# KiCad board e-tkt.kicad_pcb (continued)
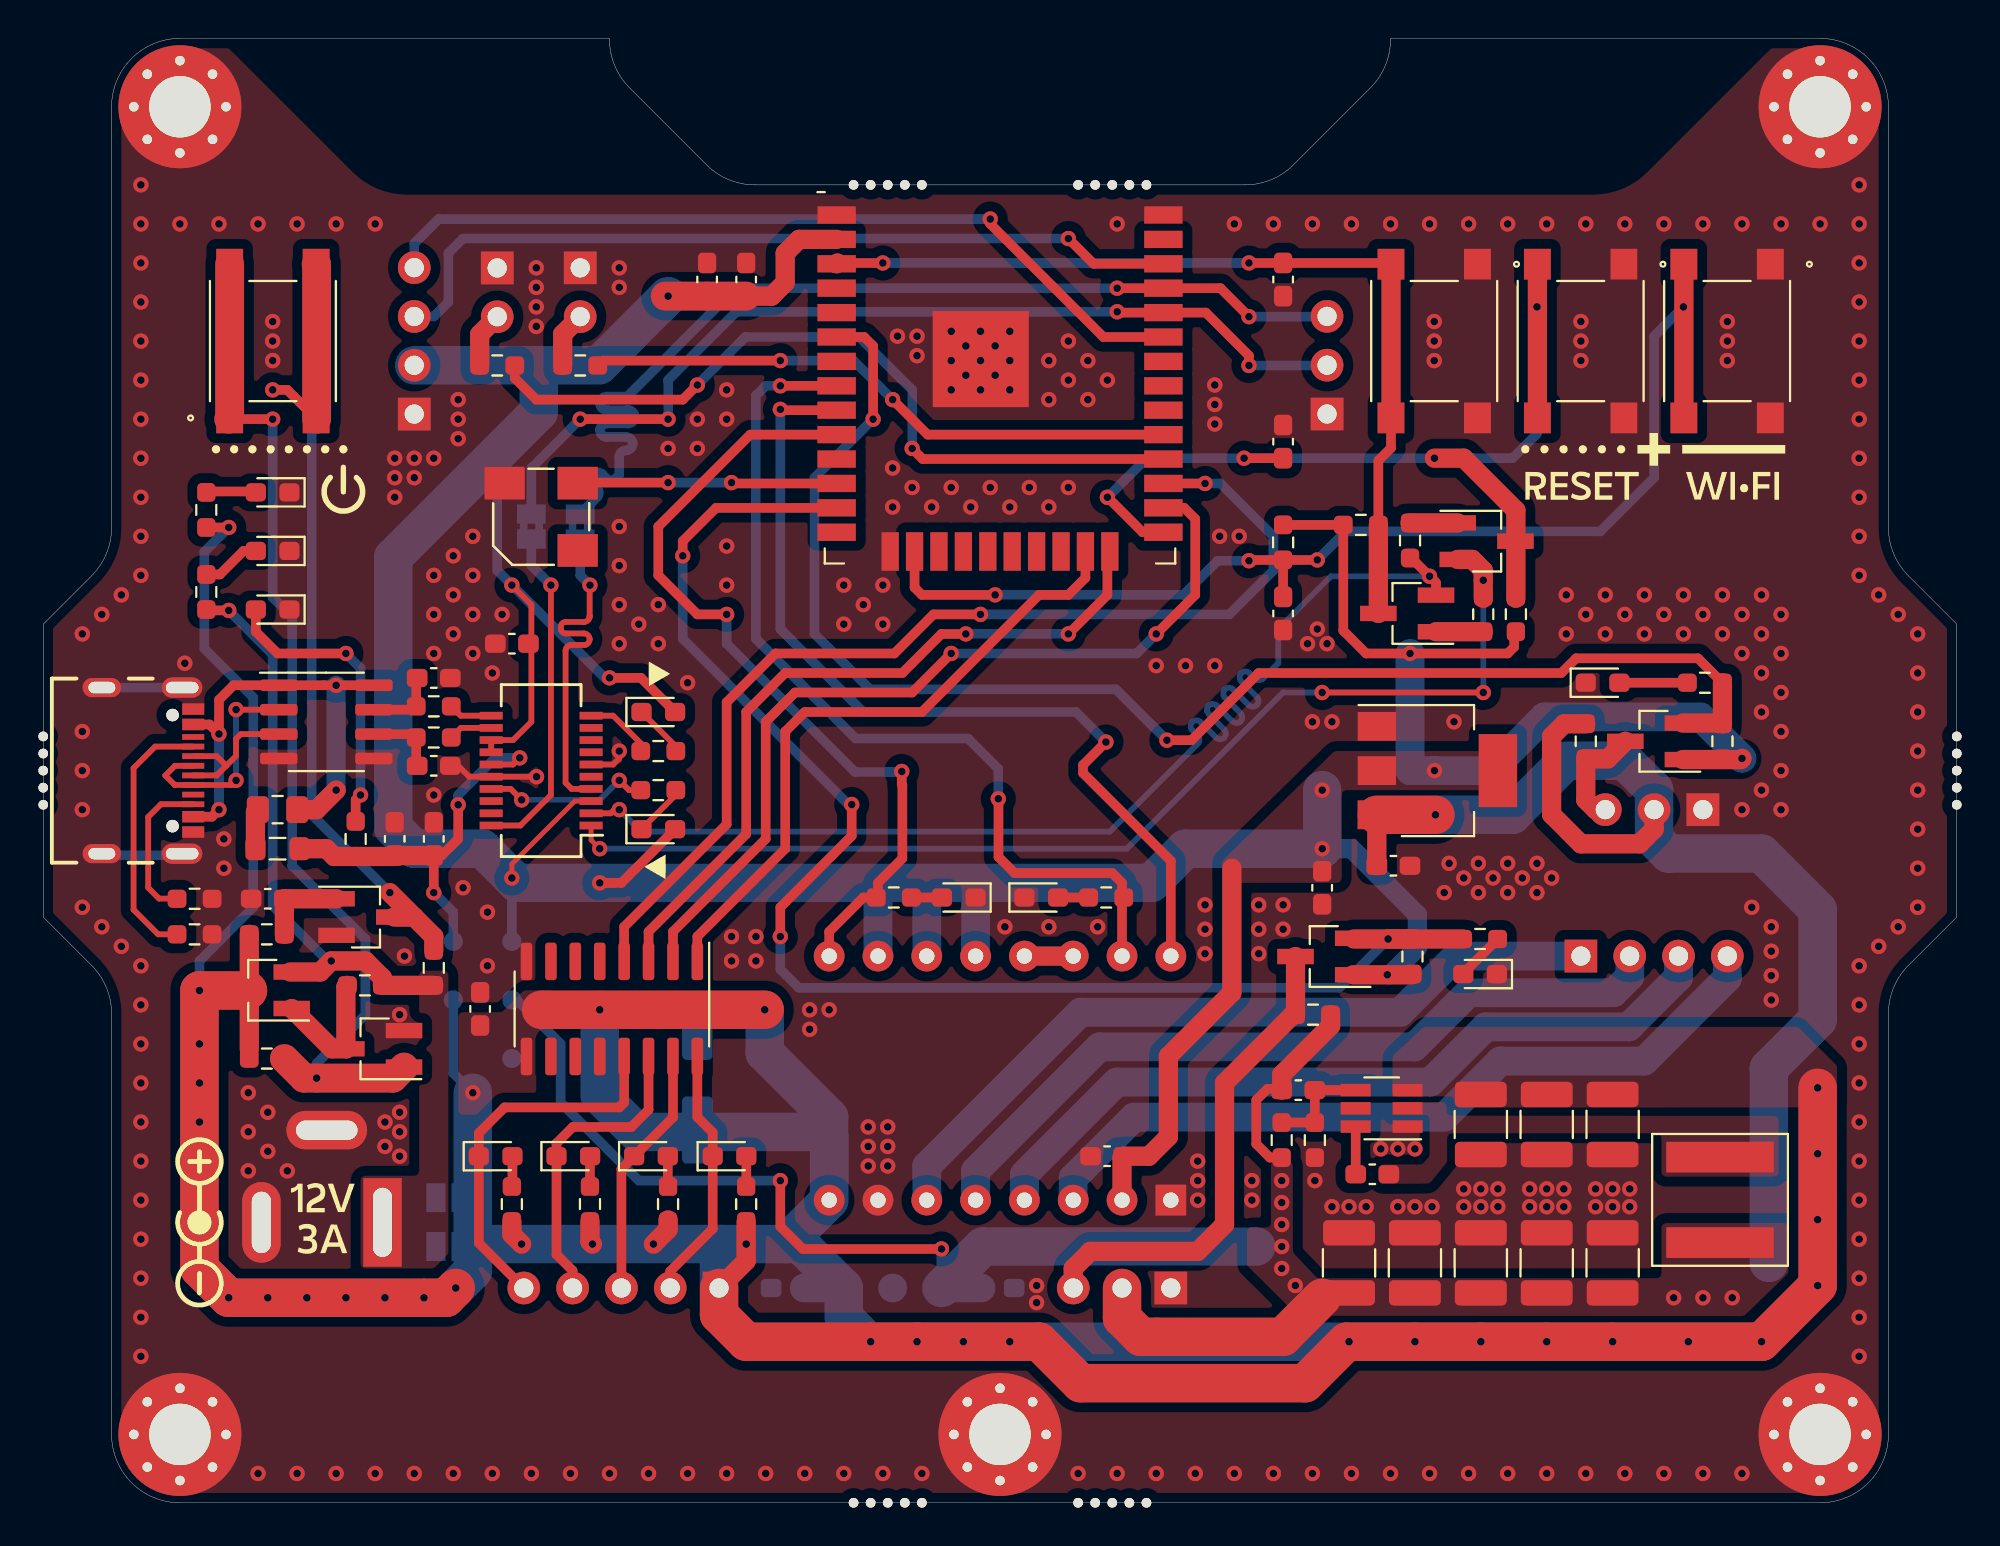
[diagram p0: board, top side]
## Library data of the parts (continued)
U_SER1 = -: Description: Serial communication IC; Group: Serial; Mouser: OK
U_STP1 = -: Description: Driver; #: ULN2003ADRE4; Group: 28BYJ-48 12V; Mouser: OK
U_USB1 = -: Description: USB-C TVS diode; #: USB6B1RL; Group: USB-C; Mouser: OK

## Footprints (pads in the part's own frame, mm; a bottom-side part is the same pattern mirrored in y, then rotated)
B3FS-1000
  rect 1.6x1.4 smd: 1(-4,2.25) 2(4,2.25) 3(-4,-2.25) 4(4,-2.25)
BarrelJack_GCT_DCJ200-10-A_Horizontal
  rect 4.6x2 hole 3.6x1: 1(0,0)
  oval 4.2x2 hole 3.2x1: 2(0,-6.3)
  oval 2x4.2 hole 1x3.2: 3(4.8,-2.9)
C_0603_1608Metric_Pad1.08x0.95mm_HandSolder
  rrect 1.075x0.95 smd: 1(-0.863,0) 2(0.863,0)
C_1210_3225Metric_Pad1.33x2.70mm_HandSolder
  rrect 1.325x2.7 smd: 1(-1.562,0) 2(1.562,0)
CP_Elec_6.3x7.7
  rrect 3.5x1.6 smd: 1(-2.7,0) 2(2.7,0)
CUI_CSS-0575A-SMT
  rect 2.1x1.7 smd: (-1.9,1.75) 1(-1.9,-1.75) 2(1.9,-1.75)
ESP32-WROOM-32
  rect 2x0.9 smd: 1(-8.5,8.255) 2(-8.5,6.985) 3(-8.5,5.715) 4(-8.5,4.445) 5(-8.5,3.175) 6(-8.5,1.905) 7(-8.5,0.635) 8(-8.5,-0.635) 9(-8.5,-1.905) 10(-8.5,-3.175) 11(-8.5,-4.445) 12(-8.5,-5.715) 13(-8.5,-6.985) 14(-8.5,-8.255) 25(8.5,-8.255) 26(8.5,-6.985) 27(8.5,-5.715) 28(8.5,-4.445) 29(8.5,-3.175) 30(8.5,-1.905) 31(8.5,-0.635) 32(8.5,0.635) 33(8.5,1.905) 34(8.5,3.175) 35(8.5,4.445) 36(8.5,5.715) 37(8.5,6.985) 38(8.5,8.255)
  rect 0.9x2 smd: 15(-5.715,-9.255) 16(-4.445,-9.255) 17(-3.175,-9.255) 18(-1.905,-9.255) 19(-0.635,-9.255) 20(0.635,-9.255) 21(1.905,-9.255) 22(3.175,-9.255) 23(4.445,-9.255) 24(5.715,-9.255)
  rect 5x5 smd: 39(-1,0.755)
Fuse_0805_2012Metric_Pad1.15x1.40mm_HandSolder
  rrect 1.15x1.4 smd: 1(-1.025,0) 2(1.025,0)
GCT_USB4105-GF-A
  round 0.65 hole 0.65 unplated: (-2.89,3.68) (2.89,3.68)
  rect 0.6x1.15 smd: A1_B12(-3.2,4.755) A4_B9(-2.4,4.755) B1_A12(3.2,4.755) B4_A9(2.4,4.755)
  rect 0.3x1.15 smd: A5(-1.25,4.755) A6(-0.25,4.755) A7(0.25,4.755) A8(1.25,4.755) B5(1.75,4.755) B6(0.75,4.755) B7(-0.75,4.755) B8(-1.75,4.755)
  oval 1.05x2.1 hole 0.6x1.7: S1(-4.32,4.18) S4(4.32,4.18)
  oval 1x2 hole 0.6x1.4: S2(-4.32,0) S3(4.32,0)
L_0805_2012Metric_Pad1.05x1.20mm_HandSolder
  rrect 1.05x1.2 smd: 1(-1.15,0) 2(1.15,0)
LED_0603_1608Metric_Pad1.05x0.95mm_HandSolder
  rrect 1.05x0.95 smd: 1(-0.875,0) 2(0.875,0)
MountingHole_3.2mm_M3_Pad_Via
  round 0.8 hole 0.5: 1(-2.4,0) 1(-1.697,1.697) 1(-1.697,-1.697) 1(0,2.4) 1(0,-2.4) 1(1.697,1.697) 1(1.697,-1.697) 1(2.4,0)
  round 6.4 hole 3.2: 1(0,0)
PinHeader_1x02_P2.54mm_Vertical
  rect 1.7x1.7 hole 1: 1(0,0)
  oval 1.7x1.7 hole 1: 2(0,-2.54)
PinHeader_1x03_P2.54mm_Horizontal
  rect 1.7x1.7 hole 1: 1(0,0)
  oval 1.7x1.7 hole 1: 2(0,-2.54) 3(0,-5.08)
PinHeader_1x03_P2.54mm_Vertical
  rect 1.7x1.7 hole 1: 1(0,0)
  oval 1.7x1.7 hole 1: 2(0,-2.54) 3(0,-5.08)
PinHeader_1x04_P2.54mm_Horizontal
  rect 1.7x1.7 hole 1: 1(0,0)
  oval 1.7x1.7 hole 1: 2(0,-2.54) 3(0,-5.08) 4(0,-7.62)
PinHeader_1x04_P2.54mm_Vertical
  rect 1.7x1.7 hole 1: 1(0,0)
  oval 1.7x1.7 hole 1: 2(0,-2.54) 3(0,-5.08) 4(0,-7.62)
PinHeader_1x05_P2.54mm_Vertical
  rect 1.7x1.7 hole 1: 1(0,0)
  oval 1.7x1.7 hole 1: 2(0,-2.54) 3(0,-5.08) 4(0,-7.62) 5(0,-10.16)
PinSocket_1x03_P2.54mm_Vertical
  rect 1.7x1.7 hole 1: 1(0,0)
  oval 1.7x1.7 hole 1: 2(0,-2.54) 3(0,-5.08)
Pololu_Breakout-16_15.2x20.3mm
  rect 1.6x1.6 hole 0.8: 1(0,0)
  oval 1.6x1.6 hole 0.8: 2(0,-2.54) 3(0,-5.08) 4(0,-7.62) 5(0,-10.16) 6(0,-12.7) 7(0,-15.24) 8(0,-17.78) 9(12.7,-17.78) 10(12.7,-15.24) 11(12.7,-12.7) 12(12.7,-10.16) 13(12.7,-7.62) 14(12.7,-5.08) 15(12.7,-2.54) 16(12.7,0)
R_0603_1608Metric_Pad0.98x0.95mm_HandSolder
  rrect 0.975x0.95 smd: 1(-0.912,0) 2(0.912,0)
SOIC-8_3.9x4.9mm_P1.27mm
  rrect 1.95x0.6 smd: 1(-2.475,1.905) 2(-2.475,0.635) 3(-2.475,-0.635) 4(-2.475,-1.905) 5(2.475,-1.905) 6(2.475,-0.635) 7(2.475,0.635) 8(2.475,1.905)
SOIC-16_3.9x9.9mm_P1.27mm
  rrect 1.95x0.6 smd: 1(-2.475,4.445) 2(-2.475,3.175) 3(-2.475,1.905) 4(-2.475,0.635) 5(-2.475,-0.635) 6(-2.475,-1.905) 7(-2.475,-3.175) 8(-2.475,-4.445) 9(2.475,-4.445) 10(2.475,-3.175) 11(2.475,-1.905) 12(2.475,-0.635) 13(2.475,0.635) 14(2.475,1.905) 15(2.475,3.175) 16(2.475,4.445)
SolderJumper-2_P1.3mm_Bridged2Bar_Pad1.0x1.5mm
  rect 1x1.5 smd: 1(-0.65,0) 2(0.65,0)
SolderJumper-2_P1.3mm_Open_Pad1.0x1.5mm
  rect 1x1.5 smd: 1(-0.65,0) 2(0.65,0)
SOT-23-6_Handsoldering
  rect 1.56x0.65 smd: 1(-1.35,0.95) 2(-1.35,0) 3(-1.35,-0.95) 4(1.35,-0.95) 5(1.35,0) 6(1.35,0.95)
SOT-23_Handsoldering
  rect 1.9x0.8 smd: 1(-1.5,0.95) 2(-1.5,-0.95) 3(1.5,0)
SOT-223
  rect 2x1.5 smd: 1(-3.15,2.3) 2(-3.15,0) 3(-3.15,-2.3)
  rect 2x3.8 smd: 4(3.15,0)
SRP6060FA-4R7M
  rect 1.6x5.588 smd: 1(-2.223,0) 2(2.223,0)
SSOP-20_3.9x8.7mm_P0.635mm
  rect 1.2x0.4 smd: 1(-2.6,2.857) 2(-2.6,2.223) 3(-2.6,1.587) 4(-2.6,0.953) 5(-2.6,0.318) 6(-2.6,-0.318) 7(-2.6,-0.953) 8(-2.6,-1.587) 9(-2.6,-2.223) 10(-2.6,-2.857) 11(2.6,-2.857) 12(2.6,-2.223) 13(2.6,-1.587) 14(2.6,-0.953) 15(2.6,-0.318) 16(2.6,0.318) 17(2.6,0.953) 18(2.6,1.587) 19(2.6,2.223) 20(2.6,2.857)
TestPoint_Pad_D1.0mm
  round 1 smd: 1(0,0)
TestPoint_Pad_D1.5mm
  round 1.5 smd: 1(0,0)
unnamed
  round 0.5 hole 0.5 unplated: (0,0)

## Nets
+3.3V: A_NEMA1.2 A_NEMA1.10 A_NEMA1.11 A_NEMA1.12 C_MCU1.1 C_MCU2.2 C_NEMA2.2 C_POW2.1 C_SER1.1 D_RX1.2 D_TX1.2 J_OLED1.2 Q_HALL1.1 Q_SERVO1.1 R_ENA1.2 R_HALL2.2 R_RST1.1 R_SERVO2.2 R_WIFI1.2 TP_3.3v1.1 U_MCU1.2 U_POW2.2 U_POW2.4 U_SER1.3 U_SER1.13 U_SER1.14
+6V: C_POW1.1 C_POW_6V_FF1.1 C_POW_BST3.1 C_POW_OUT1.1 C_POW_OUT2.1 C_POW_OUT3.1 C_POW_OUT4.1 C_POW_OUT5.1 J_B_6v_1.1 J_HALL1.2 J_SERVO1.2 L1.2 R_HALL1.2 R_POW_FBT1.2 R_SERVO1.2 TP_6v1.1 U_POW2.3
+12V: A_NEMA1.8 C_NEMA1.1 C_POW_BST2.2 C_POW_IN1.1 C_POW_IN2.1 C_POW_IN3.1 C_STP1.2 J_28byj-48-12v_1.1 J_B_12v_1.1 JP1.2 JP2.2 Q_POW1.3 R_POW3.2 R_POW4.2 R_POW6.1 R_STP1.1 R_STP2.1 R_STP3.1 R_STP4.1 TP_12v1.1 U_POW1.3 U_STP1.9
GNDREF: A_NEMA1.1 A_NEMA1.7 C_ENA1.1 C_MCU1.2 C_MCU2.1 C_NEMA1.2 C_NEMA2.1 C_POW1.2 C_POW2.2 C_POW3.2 C_POW_BST2.1 C_POW_BST3.2 C_POW_IN1.2 C_POW_IN2.2 C_POW_IN3.2 C_POW_OUT1.2 C_POW_OUT2.2 C_POW_OUT3.2 C_POW_OUT4.2 C_POW_OUT5.2 C_RST1.1 C_SER1.2 C_SER2.1 C_SER3.1 C_SER4.2 C_SER5.1 C_STP1.1 C_WIFI1.1 D_HALL1.1 D_NEMA1.1 D_NEMA2.1 D_POW1.1 D_POW2.1 D_SERVO1.1 D_USB1.1 H1.1 H2.1 H3.1 H4.1 H6.1 J_B_GND_1.1 J_EXT1.1 J_HALL1.1 J_LEDE1.1 J_LEDP1.1 J_OLED1.1 J_POW1.2 J_POW1.3 J_SERVO1.1 J_USB1.A1_B12 J_USB1.B1_A12 J_USB1.S1 J_USB1.S2 J_USB1.S3 J_USB1.S4 LS1.2 Q_POW2.2 Q_POW3.2 R_POW_FFB1.1 R_USB1.1 R_USB2.1 SW_ENA1.1 SW_ENA1.2 SW_RST1.1 SW_RST1.2 SW_WIFI1.1 SW_WIFI1.2 TP_GND3.1 U_MCU1.1 U_MCU1.15 U_MCU1.38 U_MCU1.39 U_POW1.1 U_POW2.1 U_SER1.6 U_SER1.16 U_STP1.8 U_USB1.4 U_USB1.5
VBUS: C_SER4.1 C_SER5.2 FB_USB1.2 R_USB3.2 TP_5v1.1 U_SER1.15
/MCU/IO27 BUZZER OUT: LS1.1 U_MCU1.12
/USB-C 2.0/USBD1+: J_USB1.A6 J_USB1.B6 U_USB1.2
/USB-C 2.0/USBD1-: J_USB1.A7 J_USB1.B7 U_USB1.3
D+: C_SER3.2 R_SER2.2 U_USB1.7
D-: C_SER2.2 R_SER1.2 U_USB1.6
DTR: Q_AUTO2.2 R_AUTO1.1 U_SER1.1
EN: C_ENA1.2 Q_AUTO1.3 R_ENA1.1 SW_ENA1.3 SW_ENA1.4 U_MCU1.3
HALL: J_HALL1.3 Q_HALL1.3 R_HALL1.1
IO0 RESET: C_RST1.2 Q_AUTO2.3 R_RST1.2 SW_RST1.3 SW_RST1.4 U_MCU1.25
IO1 TXD: J_EXT1.3 JP_SER1.2 U_MCU1.35
IO2 ULN 3: U_MCU1.24 U_STP1.3
IO3 RXD: J_EXT1.2 JP_SER3.2 U_MCU1.34
IO4 ULN 2: U_MCU1.26 U_STP1.2
IO5 LED END: R_LEDE1.1 U_MCU1.29
IO13 WIFI RST: C_WIFI1.2 R_WIFI1.1 SW_WIFI1.3 SW_WIFI1.4 U_MCU1.16
IO14 SERVO: Q_SERVO1.2 R_SERVO2.1 R_SERVO3.1 U_MCU1.13
IO15 ULN 1: U_MCU1.23 U_STP1.1
IO16 ULN 4: U_MCU1.27 U_STP1.4
IO17 LED PRESS: R_LEDP1.1 U_MCU1.28
IO21 OLED SDA: J_OLED1.4 U_MCU1.33
IO22 OLED SCL: J_OLED1.3 U_MCU1.36
IO25 NEMA ENA: A_NEMA1.9 R_NEMA1.1 U_MCU1.10
IO32 NEMA STEP: A_NEMA1.15 R_NEMA2.2 U_MCU1.8
IO33 NEMA DIR: A_NEMA1.16 U_MCU1.9
IO34 HALL: Q_HALL1.2 R_HALL2.1 R_HALL3.1 U_MCU1.6
RTS: Q_AUTO1.2 R_AUTO2.1 U_SER1.2
SERVO: J_SERVO1.3 Q_SERVO1.3 R_SERVO1.1
Net-(A_NEMA1-Pad3): A_NEMA1.3 J_NEMA1.4
Net-(A_NEMA1-Pad4): A_NEMA1.4 J_NEMA1.3
Net-(A_NEMA1-Pad5): A_NEMA1.5 J_NEMA1.2
Net-(A_NEMA1-Pad6): A_NEMA1.6 J_NEMA1.1
Net-(A_NEMA1-Pad13): A_NEMA1.13 A_NEMA1.14
Net-(C_POW3-Pad1): C_POW3.1 Q_POW3.1 R_POW4.1
Net-(C_POW_6V_FF1-Pad2): C_POW_6V_FF1.2 R_POW_FBT1.1 R_POW_FFB1.2 U_POW1.4
Net-(C_POW_BST1-Pad1): C_POW_BST1.1 U_POW1.6
Net-(C_POW_BST1-Pad2): C_POW_BST1.2 L1.1 U_POW1.2
Net-(D_HALL1-Pad2): D_HALL1.2 R_HALL3.2
Net-(D_NEMA1-Pad2): D_NEMA1.2 R_NEMA1.2
Net-(D_NEMA2-Pad2): D_NEMA2.2 R_NEMA2.1
Net-(D_POW1-Pad2): D_POW1.2 R_POW1.2
Net-(D_POW2-Pad2): D_POW2.2 R_POW6.2
Net-(D_RX1-Pad1): D_RX1.1 R_RX1.1
Net-(D_SERVO1-Pad2): D_SERVO1.2 R_SERVO3.2
Net-(D_STP1-Pad1): D_STP1.1 J_28byj-48-12v_1.2 U_STP1.16
Net-(D_STP1-Pad2): D_STP1.2 R_STP1.2
Net-(D_STP2-Pad1): D_STP2.1 J_28byj-48-12v_1.3 U_STP1.15
Net-(D_STP2-Pad2): D_STP2.2 R_STP2.2
Net-(D_STP3-Pad1): D_STP3.1 J_28byj-48-12v_1.4 U_STP1.14
Net-(D_STP3-Pad2): D_STP3.2 R_STP3.2
Net-(D_STP4-Pad1): D_STP4.1 J_28byj-48-12v_1.5 U_STP1.13
Net-(D_STP4-Pad2): D_STP4.2 R_STP4.2
Net-(D_TX1-Pad1): D_TX1.1 R_TX1.1
Net-(D_USB1-Pad2): D_USB1.2 R_USB3.1
Net-(F_USB1-Pad1): F_USB1.1 J_USB1.A4_B9 J_USB1.B4_A9 U_USB1.1 U_USB1.8
Net-(FB_USB1-Pad1): F_USB1.2 FB_USB1.1
Net-(J_LEDE1-Pad2): J_LEDE1.2 R_LEDE1.2
Net-(J_LEDP1-Pad2): J_LEDP1.2 R_LEDP1.2
Net-(J_POW1-Pad1): J_POW1.1 JP1.1 JP2.1 Q_POW1.2 R_POW1.1 R_POW2.2 R_POW5.2
Net-(J_USB1-PadA5): J_USB1.A5 R_USB1.2
Net-(J_USB1-PadB5): J_USB1.B5 R_USB2.2
Net-(JP_SER1-Pad1): JP_SER1.1 U_SER1.4
Net-(JP_SER3-Pad1): JP_SER3.1 U_SER1.20
Net-(Q_AUTO1-Pad1): Q_AUTO1.1 R_AUTO1.2
Net-(Q_AUTO2-Pad1): Q_AUTO2.1 R_AUTO2.2
Net-(Q_POW1-Pad1): Q_POW1.1 Q_POW2.3 R_POW2.1
Net-(Q_POW2-Pad1): Q_POW2.1 R_POW3.1 SW_POW1.1 SW_POW1.2
Net-(Q_POW3-Pad3): Q_POW3.3 R_POW5.1 SW_POW1.3 SW_POW1.4
Net-(R_RX1-Pad2): R_RX1.2 U_SER1.17
Net-(R_SER1-Pad1): R_SER1.1 U_SER1.12
Net-(R_SER2-Pad1): R_SER2.1 U_SER1.11
Net-(R_TX1-Pad2): R_TX1.2 U_SER1.10

Pads without a net: J_USB1 A8 B8; U_MCU1 4 5 7 11 14 17 18 19 20 21 22 30 31 32 37; U_POW1 5; U_SER1 5 7 8 9 18 19; U_STP1 5 6 7 10 11 12

## Via types
v1: diameter 0.8, hole 0.4, Top to Bottom, 483 vias

## Routing (per net, layer and track width the routed paths; a pad name or vN(x,y) marks a point on that pad's centre or on a via; arc(x,y) is an arc through that point)
+3.3V: length 243.2
  Top w0.25: v1(24.38,32.51) 24.38,33.24 27.66,36.51 U_SER1.3
  Top w0.3: v1(24.38,47.75) 25.4,46.74 25.4,40.64 24.45,39.69 U_SER1.13 U_SER1.14
  Top w0.5: D_RX1.2 30.09,32.26 v1(28.96,32.26) 29.72,32.26 ; v1(29.46,42.93) 31.1,42.93 D_TX1.2 ; 76.54,45.24 76.54,44.54 76.2,44.2 68.83,44.2 67.65,45.38 R_ENA1.2 R_WIFI1.2
  Top w1: A_NEMA1.2 56.13,17.95 C_NEMA2.2 57.53,18.03 58.55,19.05 58.55,23.24 61.85,26.54 61.85,33.02 ; Q_HALL1.1 88.33,38.67 v1(88.39,38.74) ; U_MCU1.2 39.33,65.74 38.61,65.02 38.61,63.5 37.9,62.79 36.58,62.79 ; Q_SERVO1.1 71.21,27.47
  Top w1.5: 32.37,62.79 36.58,62.79
  Bottom w0.5: 23.62,54.61 23.62,48.51 v1(24.38,47.75) 29.21,42.93 v1(29.46,42.93) ; TP_3.3v1.1 v1(24.38,32.51)
  Bottom w1: v1(69.93,27.47) 70.09,27.47 71.5,28.88 71.5,30.61 68.07,34.04 v1(66.55,34.04)
  Bottom w1.5: A_NEMA1.11 45.97,32.26 ; v1(71.12,44.2) 71.12,38.1 v1(72.39,38.1) 75.31,38.1 78.1,40.89 86.23,40.89 v1(88.39,38.74) ; A_NEMA1.12 48.51,32.26 ; A_NEMA1.10 43.43,32.26
  Bottom w2: J_OLED1.2 28.91,59.19 v1(32.51,62.79) ; v1(66.55,37.08) v1(66.55,34.04) 59.44,34.04 57.66,32.26 24.64,32.26 v1(24.38,32.51) 22.86,34.04 19.3,34.04 18.21,35.13 18.21,49.2 25.78,56.77 25.78,59.19
+6V: length 140.2
  Top w0.5: R_POW_FBT1.2 63.83,17.96 63.12,18.67 63.12,20.96 63.7,21.54 64.44,21.54 ; v1(46.74,13.21) 39.52,13.21 38.35,14.38 v1(38.35,16.76)
  Top w1: J_HALL1.2 83.82,35.05 83.06,34.29 80.01,34.29 78.49,35.81 78.49,39.88 79.14,40.54 R_HALL1.2 ; C_POW_6V_FF1.1 64.44,22.28 66.99,24.82 R_SERVO1.2 ; U_POW2.3 C_POW1.1
  Top w2: U_POW2.3 v1(72.44,35.8) ; 64.52,8.64 57.11,8.64 56.13,9.62 J_SERVO1.2 ; 66.53,10.67 64.5,8.64
  Bottom w0.5: v1(38.35,16.76) 30.99,16.76 26.92,20.83 26.92,23.88 24.63,26.17 TP_6v1.1 ; v1(46.74,13.21) J_B_6v_1.1
  Bottom w1.5: C_POW_BST3.1 J_B_6v_1.1
  Bottom w2: v1(72.44,35.8) 76.44,35.8 79.25,38.61 82.3,38.61 83.82,37.08 J_HALL1.2 83.82,34.54 84.58,33.78 89.41,33.78 92.33,30.86 92.33,25.15 89.79,22.61 89.79,12.48 ; J_B_6v_1.1 48.9,13.34 63.12,13.34
  vias: v1(64.44,16.76) v1(64.44,15.62) v1(64.44,14.48) v1(64.44,13.34) v1(64.44,12.19) v1(65.15,11.3) v1(84.84,10.67) v1(86.36,10.67) v1(87.88,10.67)
+12V: length 327.3
  Top w0.5: R_POW6.1 v1(9.65,50.75)
  Top w1: R_STP1.1 v1(36.58,13.46) 36.58,12.59 J_28byj-48-12v_1.1 ; R_STP4.1 24.38,13.97 v1(24.89,13.46) ; 10.72,26.66 10.72,23.61 ; v1(31.75,13.46) 32.51,14.22 32.51,14.72 ; v1(28.57,13.46) 28.45,13.59 R_STP3.1 ; 10.72,26.42 R_POW4.2
  Top w2: 25.91,25.65 v1(37.54,25.65) ; J_28byj-48-12v_1.1 35.16,9.79 36.58,8.38 v1(43.05,8.38) v1(45.47,8.38) 51.82,8.38 53.97,6.22 65.66,6.22 67.82,8.38 v1(71.37,8.38) v1(74.8,8.38) v1(78.23,8.38) v1(81.66,8.38) v1(89.41,8.38) v1(92.33,11.3) v1(92.33,21.59) ; 10.66,26.66 v1(8.13,26.66) 8.13,12.19 v1(9.65,10.67) 20.96,10.67 v1(21.46,11.18)
  Bottom w0.5: v1(22.35,21.34) 21.34,22.35 TP_12v1.1 ; v1(8.13,26.66) 8.13,28.19 10.92,30.99 10.92,41.91 8.38,44.45 8.38,49.48 v1(9.65,50.75)
  Bottom w1.5: C_POW_BST2.2 J_B_12v_1.1
  Bottom w2: v1(28.96,25.65) 28.96,21.21 30.87,19.3 40.65,19.3 40.89,19.05 ; v1(37.54,25.65) 37.54,23.42 40.89,20.07 40.89,17.78 ; 35.31,13.46 39.37,13.46 J_B_12v_1.1 41.66,9.65 42.93,8.38 v1(89.41,8.38) v1(92.33,11.3) v1(92.33,21.59) ; 35.31,13.46 22.35,13.46 ; 35.31,13.46 35.16,13.32 J_28byj-48-12v_1.1 ; A_NEMA1.8 38.61,13.46 ; A_NEMA1.8 40.89,17.78 ; A_NEMA1.8 40.89,19.05 ; v1(8.13,26.66) v1(8.13,23.88) v1(8.13,21.84) v1(8.13,19.81) 8.13,12.19 v1(9.65,10.67) v1(19.81,10.67) 20.96,10.67 v1(21.46,11.18) 22.35,12.07 v1(22.35,21.34) ; 40.89,19.05 40.89,17.78
  vias: v1(11.68,10.67) v1(13.72,10.67) v1(15.75,10.67) v1(17.78,10.67) v1(47.88,8.38) v1(50.29,8.38) v1(67.94,8.38) v1(85.6,8.38) v1(92.33,18.16) v1(92.33,14.73)
GNDREF: length 15.1
  Top w0.3: v1(25.67,37.78) U_SER1.16 22.16,37.78 21.6,38.35 C_SER2.1 ; v1(29.97,39.12) 29.97,38.74 29.65,38.42 U_SER1.6
  Bottom w0.5: J_USB1.S4 7.15,33.7 3.13,33.7 J_USB1.S3 ; J_USB1.S1 J_USB1.S2
  vias: v1(2.03,45.21) v1(2.03,40.13) v1(2.03,38.1) v1(2.03,36.07) v1(2.03,30.99) v1(3.05,46.23) v1(3.05,29.97) v1(4.06,47.24) v1(4.06,28.96) v1(5.08,68.58) v1(5.08,66.55) v1(5.08,64.52) v1(5.08,62.48) v1(5.08,60.45) v1(5.08,58.42) v1(5.08,56.39) v1(5.08,54.36) v1(5.08,52.32) v1(5.08,50.29) v1(5.08,48.26) v1(5.08,27.94) v1(5.08,25.91) v1(5.08,23.88) v1(5.08,21.84) v1(5.08,19.81) v1(5.08,17.78) v1(5.08,15.75) v1(5.08,13.72) v1(5.08,11.68) v1(5.08,9.65) v1(5.08,7.62) v1(7.11,66.55) v1(7.37,43.69) v1(9.14,66.55) v1(9.4,34.54) v1(9.4,33.02) v1(10.67,21.34) v1(10.67,19.3) v1(10.67,17.27) v1(11.18,66.55) v1(11.18,1.52) v1(11.68,20.32) v1(11.68,18.29) v1(11.94,61.47) v1(11.94,60.45) v1(11.94,59.44) v1(12.7,17.27) v1(13.21,66.55) v1(13.21,1.52) v1(15.24,66.55) v1(15.24,1.52) v1(17.27,66.55) v1(17.27,1.52) v1(17.78,19.81) v1(17.78,18.54) v1(18.29,54.36) v1(18.29,53.34) v1(18.29,52.32) v1(18.54,25.4) v1(18.54,20.32) v1(18.54,19.3) v1(18.54,18.03) v1(18.8,28.45) v1(19.3,54.36) v1(19.3,53.34) v1(19.3,1.52) v1(20.32,54.36) v1(20.32,48.26) v1(20.32,46.23) v1(20.32,44.2) v1(20.32,36.83) v1(21.34,49.28) v1(21.34,47.24) v1(21.34,45.21) v1(21.34,1.52) v1(21.59,57.4) v1(21.59,56.39) v1(21.59,55.37) v1(21.84,32) v1(22.35,50.29) v1(22.35,48.26) v1(22.35,46.23) v1(22.35,44.2) v1(23.11,30.73) v1(23.11,27.94) v1(23.37,43.18) v1(23.37,1.52) v1(23.88,46.23) v1(25.4,1.52) v1(25.65,64.26) v1(25.65,63.25) v1(25.65,62.23) v1(25.65,61.21) v1(27.43,1.52) v1(29.46,1.52) v1(29.97,64.26) v1(29.97,63.25) v1(29.97,50.8) v1(29.97,48.77) v1(29.97,46.74) v1(29.97,44.7) v1(30.99,45.72) v1(31.5,1.52) v1(32,46.74) v1(32,44.7) v1(32.51,54.86) v1(33.53,42.67) v1(33.53,1.52) v1(34.04,56.39) v1(34.04,54.86) v1(35.56,57.91) v1(35.56,56.39) v1(35.56,49.78) v1(35.56,47.75) v1(35.56,1.52) v1(35.81,29.46) v1(35.81,28.19) v1(37.08,29.46) v1(37.08,28.19) v1(37.59,1.52) v1(39.62,1.52) v1(39.88,25.65) v1(39.88,24.64) v1(40.89,25.65) v1(41.66,47.75) v1(41.66,45.72) v1(41.66,1.52) v1(42.67,46.74) v1(42.93,19.56) v1(42.93,18.54) v1(42.93,17.53) v1(43.69,47.75) v1(43.69,45.72) v1(43.69,1.52) v1(43.94,19.56) v1(43.94,18.54) v1(43.94,17.53) v1(44.2,53.85) v1(44.2,51.82) v1(44.45,60.71) v1(45.21,52.83) v1(45.47,60.71) v1(45.47,59.69) v1(45.72,1.52) v1(46.23,51.82) v1(47.24,60.96) v1(47.24,59.44) v1(47.24,57.91) v1(47.24,52.83) v1(48.01,60.2) v1(48.01,58.67) v1(48.26,51.82) v1(48.77,60.96) v1(48.77,59.44) v1(48.77,57.91) v1(49.28,52.83) v1(49.53,60.2) v1(49.53,58.67) v1(50.04,29.97) v1(50.29,60.96) v1(50.29,59.44) v1(50.29,57.91) v1(50.29,51.82) v1(51.31,52.83) v1(51.69,11.3) v1(51.69,10.41) v1(52.32,59.44) v1(52.32,57.4) v1(52.32,51.82) v1(52.32,29.97) v1(53.34,60.45) v1(53.34,58.42) v1(53.34,52.83) v1(53.85,1.52) v1(54.36,59.44) v1(54.36,57.4) v1(54.86,29.97) v1(55.37,58.42) v1(55.88,66.55) v1(55.88,1.52) v1(57.91,43.56) v1(57.91,1.52) v1(59.44,43.56) v1(59.94,1.52) v1(60.07,17.78) v1(60.07,16.76) v1(60.07,15.75) v1(60.45,31.12) v1(60.45,29.85) v1(60.45,28.58) v1(60.96,58.17) v1(60.96,57.15) v1(60.96,56.13) v1(60.96,43.56) v1(61.21,50.29) v1(61.98,66.55) v1(61.98,1.52) v1(62.23,50.29) v1(62.89,16.76) v1(62.89,15.75) v1(63.25,31.12) v1(63.25,29.85) v1(63.25,28.58) v1(64.01,66.55) v1(64.01,1.52) v1(64.52,31.12) v1(64.52,29.85) v1(65.79,44.7) v1(66.04,66.55) v1(66.04,40.64) v1(66.04,1.52) v1(66.17,16.76) v1(66.29,45.47) v1(66.8,44.7) v1(67.06,40.64) v1(67.06,15.41) v1(67.94,15.41) v1(68.07,66.55) v1(68.07,1.52) v1(68.83,15.41) v1(69.6,18.42) v1(70.1,66.55) v1(70.1,1.52) v1(70.48,18.42) v1(70.48,15.41) v1(71.37,18.42) v1(71.37,15.41) v1(72.14,66.55) v1(72.14,1.52) v1(72.26,15.41) v1(72.38,61.47) v1(72.38,60.45) v1(72.38,59.44) v1(72.9,31.75) v1(73.15,33.27) v1(73.41,40.64) v1(73.91,32.51) v1(73.91,16.33) v1(73.91,15.41) v1(74.17,66.55) v1(74.17,1.52) v1(74.68,33.27) v1(74.68,31.75) v1(74.8,16.33) v1(74.8,15.41) v1(75.44,32.51) v1(75.69,16.33) v1(75.69,15.41) v1(76.2,66.55) v1(76.2,33.27) v1(76.2,31.75) v1(76.2,1.52) v1(76.96,32.51) v1(77.34,16.33) v1(77.34,15.41) v1(77.72,33.27) v1(77.72,31.75) v1(78.23,66.55) v1(78.23,16.33) v1(78.23,15.41) v1(78.23,1.52) v1(78.49,32.51) v1(79.12,16.33) v1(79.12,15.41) v1(79.25,47.24) v1(79.25,45.21) v1(80.01,61.47) v1(80.01,60.45) v1(80.01,59.44) v1(80.26,66.55) v1(80.26,46.23) v1(80.26,1.52) v1(80.77,16.33) v1(80.77,15.41) v1(81.28,47.24) v1(81.28,45.21) v1(81.66,16.33) v1(81.66,15.41) v1(82.3,66.55) v1(82.3,46.23) v1(82.3,1.52) v1(82.55,16.33) v1(82.55,15.41) v1(83.31,47.24) v1(83.31,45.21) v1(84.33,66.55) v1(84.33,46.23) v1(84.33,1.52) v1(85.34,47.24) v1(85.34,45.21) v1(86.36,66.55) v1(86.36,46.23) v1(86.36,1.52) v1(87.38,47.24) v1(87.38,45.21) v1(87.63,61.47) v1(87.63,60.45) v1(87.63,59.44) v1(88.39,66.55) v1(88.39,46.23) v1(88.39,44.2) v1(88.39,36.07) v1(88.39,1.52) v1(88.9,30.99) v1(89.41,47.24) v1(89.41,45.21) v1(89.41,43.18) v1(89.41,41.15) v1(89.41,37.08) v1(89.92,29.97) v1(89.92,28.7) v1(89.92,27.43) v1(89.92,26.16) v1(90.42,66.55) v1(90.42,46.23) v1(90.42,44.2) v1(90.42,42.16) v1(90.42,40.13) v1(90.42,38.1) v1(90.42,36.07) v1(92.46,66.55) v1(94.49,68.58) v1(94.49,66.55) v1(94.49,64.52) v1(94.49,62.48) v1(94.49,60.45) v1(94.49,58.42) v1(94.49,56.39) v1(94.49,54.36) v1(94.49,52.32) v1(94.49,50.29) v1(94.49,48.26) v1(94.49,27.94) v1(94.49,25.91) v1(94.49,23.88) v1(94.49,21.84) v1(94.49,19.81) v1(94.49,17.78) v1(94.49,15.75) v1(94.49,13.72) v1(94.49,11.68) v1(94.49,9.65) v1(94.49,7.62) v1(95.5,47.24) v1(95.5,28.96) v1(96.52,46.23) v1(96.52,29.97) v1(97.54,45.21) v1(97.54,43.18) v1(97.54,41.15) v1(97.54,39.12) v1(97.54,37.08) v1(97.54,35.05) v1(97.54,33.02) v1(97.54,30.99)
VBUS: length 21.6
  Top w0.3: v1(24.79,38.76) 24.45,38.42 U_SER1.15
  Top w0.5: v1(20.32,31.75) C_SER4.1 20.73,33.68 21.59,34.54 v1(21.59,36.32) ; 18.24,33.63 C_SER5.2
  Top w1: C_SER5.2 C_SER4.1 ; 18.24,33.63 R_USB3.2 15.14,33.63 14.73,34.04 FB_USB1.2
  Bottom w0.5: TP_5v1.1 21.34,30.73 v1(20.32,31.75) ; v1(24.79,38.76) 23.52,38.76 21.59,36.83 v1(21.59,36.32)
/MCU/IO27 BUZZER OUT: length 13.5
  Top w0.5: v1(32.51,53.09) 27.84,53.09 LS1.1 ; U_MCU1.12 35.86,53.04 v1(35.81,53.09)
  Bottom w0.5: v1(32.51,53.09) v1(35.81,53.09)
/USB-C 2.0/USBD1+: length 11.6
  Top w0.3: v1(10.03,37.59) 9.79,37.35 J_USB1.B6 6.85,37.35 6.35,37.85 6.85,38.35 J_USB1.A6 ; U_USB1.2 10.04,41.27 v1(10.03,41.28)
  Bottom w0.3: v1(10.03,37.59) v1(10.03,41.28)
/USB-C 2.0/USBD1-: length 7.1
  Top w0.3: 9.53,38.35 10.03,38.86 10.03,39.75 10.28,40 11.55,40 ; 9.53,38.35 9.02,37.85 J_USB1.A7 ; 9.53,38.35 9.03,38.85 J_USB1.B7
D+: length 3.8
  Top w0.5: U_USB1.7 19.23,41.27 R_SER2.2 19.41,42.87 C_SER3.2
D-: length 3.8
  Top w0.5: C_SER2.2 19.41,38.4 R_SER1.2 19.23,40 U_USB1.6
DTR: length 59.6
  Top w0.25: U_SER1.1 28.51,34.48 v1(28.96,34.04)
  Top w0.3: v1(74.93,42.16) v1(66.55,42.16)
  Top w1: Q_AUTO2.2 74.36,49.09 74.93,48.51 v1(74.93,48.01) 74.93,47.07
  Bottom w0.3: v1(66.55,42.16) 64.52,42.16 56.39,34.04 v1(28.96,34.04) ; v1(74.93,42.16) v1(74.93,48.01)
EN: length 47.5
  Top w0.5: R_ENA1.1 69.47,54.23 70.13,54.89 SW_ENA1.4 ; v1(43.69,64.52) 41.33,64.52 ; v1(62.74,64.52) 70.06,64.52 SW_ENA1.3
  Top w1: 41.33,64.52 U_MCU1.3 ; 70.13,56.39 70.13,64.52 ; R_ENA1.1 Q_AUTO1.3
  Bottom w0.5: v1(62.74,64.52) v1(43.69,64.52)
HALL: length 5.8
  Top w1: J_HALL1.3 80.77,36.07 80.26,36.58 R_HALL1.1 81.41,38.71 Q_HALL1.3
IO0 RESET: length 54.1
  Top w0.5: 77.75,56.41 SW_RST1.4 ; v1(55.37,52.32) 55.38,52.32 57.2,50.5 U_MCU1.25 ; C_RST1.2 v1(62.48,54.36)
  Top w1: v1(72.39,54.36) 73.91,54.36 76.63,51.64 76.63,50.06 ; Q_AUTO2.3 76.63,50.01 76.63,47.07 ; SW_RST1.3 77.75,56.39
  Bottom w0.5: v1(77.72,62.23) 77.72,55.63 76.45,54.36 57.4,54.36 v1(55.37,52.32)
IO1 TXD: length 53.8
  Top w0.5: v1(55.88,63.2) U_MCU1.35 61.26,63.2 v1(62.74,61.72)
  Bottom w0.5: v1(55.88,63.2) 36.03,63.2 30.38,57.56 29.32,57.56 arc(29.07,57.46) 28.97,57.21 arc(29.07,56.96) 29.32,56.86 30.42,56.86 arc(30.67,56.76) 30.77,56.51 arc(30.67,56.26) 30.42,56.16 29.32,56.16 arc(29.07,56.06) 28.97,55.81 arc(29.07,55.56) 29.32,55.46 30.32,55.46 arc(30.57,55.36) 30.67,55.11 arc(30.57,54.86) 30.32,54.76 arc(30.07,54.66) 29.97,54.41 29.97,53.48 29.8,53.31 arc(29.55,53.2) 29.3,53.31 29.09,53.52 arc(28.84,53.62) 28.59,53.52 arc(28.49,53.27) 28.59,53.02 28.81,52.81 arc(28.91,52.56) 28.81,52.32 JP_SER1.2 ; J_EXT1.3 66.79,61.72 v1(62.74,61.72)
IO2 ULN 3: length 38.7
  Top w0.5: U_STP1.3 31.5,29.72 36.58,34.8 36.58,41.15 38.61,43.18 44.7,43.18 46.74,45.21 v1(48.01,45.21) ; U_MCU1.24 55.37,49.38 55.37,47.24 v1(53.34,45.21)
  Bottom w0.5: v1(53.34,45.21) v1(48.01,45.21)
IO3 RXD: length 49.8
  Top w0.5: v1(55.88,61.98) 55.92,61.93 U_MCU1.34 60.5,61.93 62.74,59.69 v1(62.74,59.18) ; v1(27.94,56.39) v1(32.51,56.39)
  Bottom w0.5: v1(55.88,61.98) 36.07,61.98 32.51,58.42 v1(32.51,56.39) ; v1(62.74,59.18) 66.79,59.18 J_EXT1.2 ; JP_SER3.2 25.4,53.85 v1(27.94,56.39)
IO4 ULN 2: length 45.4
  Top w0.5: U_STP1.2 32.77,29.72 37.59,34.54 37.59,40.64 39.12,42.16 45.21,42.16 v1(47.24,44.2) ; v1(57.91,45.21) 59.94,47.24 59.94,51.19 59.36,51.77 U_MCU1.26
  Bottom w0.5: v1(57.91,45.21) 56.9,44.2 v1(47.24,44.2)
IO5 LED END: length 31.1
  Top w0.5: v1(38.35,59.44) 29.11,59.44 R_LEDE1.1 ; 58.28,55.58 46.02,55.58 v1(44.2,57.4)
  Bottom w0.5: v1(38.35,59.44) 42.16,59.44 v1(44.2,57.4)
IO13 WIFI RST: length 62.5
  Top w0.5: v1(62.74,49.02) 62.78,49.06 v1(66.29,49.06) ; R_WIFI1.1 C_WIFI1.2 ; v1(49.53,47.24) 45.72,47.24 45.34,47.62 U_MCU1.16
  Top w1: SW_WIFI1.3 85.37,56.39
  Bottom w0.5: v1(66.29,49.06) 67.78,50.55 81.03,50.55 83.82,53.34 83.82,60.71 v1(85.34,62.23) ; v1(49.53,47.24) 59.33,47.24 61.11,49.02 v1(62.74,49.02)
IO14 SERVO: length 77.6
  Top w0.5: U_MCU1.13 35.01,51.77 33.27,50.04 v1(33.27,49.28) ; v1(38.35,29.46) 38.35,30.99 42.07,34.7 v1(42.07,36.34)
  Top w1: R_SERVO3.1 v1(69.98,29.34) R_SERVO2.1 68.2,29.34
  Bottom w0.5: v1(33.27,49.28) 33.27,44.96 41.9,36.34 v1(42.07,36.34) ; v1(38.35,29.46) 38.35,27.75 39.31,26.8 67.44,26.8 v1(69.98,29.34)
IO15 ULN 1: length 34.2
  Top w0.5: U_MCU1.23 54.23,48.13 53.34,47.24 51.82,47.24 45.72,41.15 39.62,41.15 38.61,40.13 38.61,34.04 34.04,29.46 U_STP1.1
IO16 ULN 4: length 55.6
  Top w0.5: v1(48.77,46.23) 46.32,46.23 44.29,44.2 38.1,44.2 35.56,41.66 35.56,35.31 30.23,29.97 U_STP1.4 ; U_MCU1.27 v1(60.45,53.04)
  Bottom w0.5: v1(60.45,53.04) 61.26,53.04 64.01,50.29 64.01,48.51 61.72,46.23 v1(48.77,46.23)
IO17 LED PRESS: length 40.6
  Top w0.5: v1(34.04,58.17) 33.27,57.4 25.65,57.4 24.53,58.52 R_LEDP1.1 ; v1(45.21,54.86) 45.76,54.31 U_MCU1.28
  Bottom w0.5: v1(34.04,58.17) 36.53,60.66 42.46,60.66 45.21,57.91 v1(45.21,54.86)
IO21 OLED SDA: length 43.5
  Top w0.5: U_MCU1.33 55.16,60.66 49.28,66.55 v1(49.28,66.8)
  Bottom w0.5: v1(49.28,66.8) 20.57,66.8 19.3,65.53 J_OLED1.4
IO22 OLED SCL: length 42.7
  Top w0.5: v1(53.34,65.79) 54.65,64.47 U_MCU1.36
  Bottom w0.5: J_OLED1.3 20.33,61.73 21.08,62.48 21.08,65.02 21.84,65.79 v1(53.34,65.79)
IO25 NEMA ENA: length 43.2
  Top w0.5: A_NEMA1.9 40.89,29.72 42.67,31.5 R_NEMA1.1 43.43,31.58 43.43,32.26 44.7,33.53 44.7,37.34 44.67,37.37 v1(44.67,38.06) ; 41.28,55.58 36.79,55.58 32,50.8 32,48.26 34.04,46.23 v1(35.56,46.23)
  Bottom w0.5: v1(44.67,38.06) 44.64,38.03 42.24,38.03 35.56,44.7 v1(35.56,46.23)
IO32 NEMA STEP: length 47.9
  Top w0.5: U_MCU1.8 v1(38.35,58.12) ; v1(49.69,36.63) 49.71,36.62 49.71,33.61 50.55,32.77 55.63,32.77 56.13,32.26 A_NEMA1.15
  Bottom w0.5: v1(49.69,36.63) 49.69,38.19 48.12,39.77 42.27,39.77 37.08,44.96 37.08,57.62 37.59,58.12 v1(38.35,58.12)
IO33 NEMA DIR: length 47.3
  Top w0.5: v1(55.3,39.59) 54.1,38.39 54.1,37.97 58.67,33.4 A_NEMA1.16 ; v1(38.35,56.9) 38.4,56.85 U_MCU1.9
  Bottom w0.5: v1(55.3,39.59) 53.73,41.15 42.67,41.15 38.35,45.47 v1(38.35,56.9)
IO34 HALL: length 74.4
  Top w0.5: v1(58.47,39.68) 59.75,39.68 63.25,43.18 78.99,43.18 79.76,43.94 86.11,43.94 R_HALL3.1 ; v1(43.18,56.39) 43.18,60.2 42.72,60.66 U_MCU1.6
  Top w1: Q_HALL1.2 87.34,40.57 R_HALL2.1 R_HALL3.1
  Bottom w0.5: v1(58.47,39.68) 55.82,42.33 43.01,42.33 40.13,45.21 40.13,53.34 v1(43.18,56.39)
RTS: length 63.7
  Top w0.3: v1(29.97,36.07) 29.71,36.07 29.52,35.88 U_SER1.2
  Top w0.5: Q_AUTO1.2 72.47,47.88 v1(72.14,48.21) 71.22,49.13 71.12,49.13
  Bottom w0.3: v1(29.97,36.07) 31.12,34.93 55.5,34.93 60.07,39.5 arc(60.16,39.71) 60.07,39.92 59.79,40.2 arc(59.7,40.42) 59.79,40.63 arc(60,40.72) 60.21,40.63 61.03,39.82 arc(61.24,39.73) 61.45,39.82 arc(61.54,40.03) 61.45,40.24 60.64,41.05 arc(60.55,41.26) 60.64,41.48 arc(60.85,41.56) 61.06,41.48 61.87,40.66 arc(62.09,40.58) 62.3,40.66 arc(62.39,40.88) 62.3,41.09 61.49,41.9 arc(61.4,42.11) 61.49,42.33 arc(61.7,42.41) 61.91,42.33 62.72,41.51 arc(62.93,41.42) 63.15,41.51 arc(63.23,41.72) 63.15,41.94 62.33,42.75 arc(62.25,42.96) 62.33,43.17 arc(62.55,43.26) 62.76,43.17 63.04,42.89 arc(63.25,42.8) 63.47,42.89 64.26,43.69 64.26,45.47 67.01,48.21 v1(72.14,48.21)
SERVO: length 25.4
  Top w1: J_SERVO1.3 53.59,12.19 54.48,13.08 60.07,13.08 61.47,14.48 61.47,21.84 65.02,25.4 R_SERVO1.1 Q_SERVO1.3
Net-(A_NEMA1-Pad3): length 40.6
  Bottom w1.5: A_NEMA1.3 53.59,16.9 56.76,20.07 72.9,20.07 75.82,22.99 83.31,22.99 87.63,27.31 J_NEMA1.4
Net-(A_NEMA1-Pad4): length 40.7
  Bottom w1.5: J_NEMA1.3 85.09,27.35 82.5,24.77 75.06,24.77 72.19,21.89 55.87,21.89 51.05,17.08 A_NEMA1.4
Net-(A_NEMA1-Pad5): length 40.8
  Bottom w1.5: J_NEMA1.2 82.55,27.39 81.71,26.54 74.17,26.54 71.34,23.72 54.96,23.72 48.51,17.27 A_NEMA1.5
Net-(A_NEMA1-Pad6): length 40.3
  Bottom w1.5: J_NEMA1.1 73.53,28.45 70.61,25.53 53.97,25.53 45.97,17.53 A_NEMA1.6
Net-(A_NEMA1-Pad13): length 2.5
  Top w1: A_NEMA1.14 A_NEMA1.13
Net-(C_POW3-Pad1): length 4.6
  Top w1: Q_POW3.1 C_POW3.1 R_POW4.1
Net-(C_POW_6V_FF1-Pad2): length 5.5
  Top w0.5: U_POW1.4 C_POW_6V_FF1.2 R_POW_FFB1.2 R_POW_FBT1.1
Net-(C_POW_BST1-Pad1): length 2.1
  Top w0.5: U_POW1.6 68.29,17.48
Net-(D_HALL1-Pad2): length 3.5
  Top w0.5: R_HALL3.2 D_HALL1.2
Net-(D_NEMA1-Pad2): length 1.6
  Top w0.5: R_NEMA1.2 D_NEMA1.2
Net-(D_NEMA2-Pad2): length 1.6
  Top w0.5: D_NEMA2.2 R_NEMA2.1
Net-(D_POW1-Pad2): length 3.1
  Top w0.5: D_POW1.2 10.41,49.53 9.19,48.31 R_POW1.2
Net-(D_POW2-Pad2): length 2.6
  Top w0.5: 8.49,52.62 11.06,52.62
Net-(D_RX1-Pad1): length 2.8
  Top w0.3: R_RX1.1 32.92,36.84 D_RX1.1
Net-(D_SERVO1-Pad2): length 2.6
  Top w0.5: D_SERVO1.2 73.89,27.55 R_SERVO3.2
Net-(D_STP1-Pad1): length 13.3
  Top w0.5: J_28byj-48-12v_1.2 32.62,12.05 34.83,14.26 D_STP1.1 34.83,19.27 34.04,20.07 U_STP1.16
Net-(D_STP1-Pad2): length 1.7
  Top w0.5: D_STP1.2 36.58,16.38
Net-(D_STP2-Pad1): length 13.2
  Top w0.5: U_STP1.15 32.77,20.05 D_STP2.1 30.09,17.37 J_28byj-48-12v_1.3
Net-(D_STP2-Pad2): length 1.6
  Top w0.5: R_STP2.2 32.5,16.47 D_STP2.2
Net-(D_STP3-Pad1): length 16.2
  Top w0.5: U_STP1.14 31.5,20.45 30.61,19.56 27.56,19.56 26.71,18.71 D_STP3.1 26.71,12.92 27.54,12.08 J_28byj-48-12v_1.4
Net-(D_STP3-Pad2): length 1.6
  Top w0.5: D_STP3.2 28.45,18.03 R_STP3.2
Net-(D_STP4-Pad1): length 19.6
  Top w0.5: J_28byj-48-12v_1.5 22.66,13.52 D_STP4.1 22.66,19.24 24,20.57 29.97,20.57 30.23,20.83 U_STP1.13
Net-(D_STP4-Pad2): length 1.6
  Top w0.5: R_STP4.2 24.41,16.49 D_STP4.2
Net-(D_TX1-Pad1): length 2.8
  Top w0.3: R_TX1.1 32.92,39.36 D_TX1.1
Net-(D_USB1-Pad2): length 15.5
  Top w0.5: v1(16.51,36.83) 16.26,36.58 R_USB3.1 ; D_USB1.2 11.06,45.33 12.19,44.2 v1(15.75,44.2)
  Bottom w0.5: v1(16.51,36.83) 16.51,43.43 v1(15.75,44.2)
Net-(F_USB1-Pad1): length 25
  Top w0.5: v1(9.14,36.07) 8.78,35.7 J_USB1.B4_A9 ; U_USB1.8 U_USB1.1 9.9,42.54 9.14,41.78 v1(9.14,40.01) 8.65,40.5 J_USB1.A4_B9
  Top w1: F_USB1.1 14.22,36.07 v1(15.24,37.08)
  Bottom w0.5: v1(9.14,36.07) v1(9.14,40.01)
  Bottom w1: v1(15.24,37.08) v1(15.24,42.54)
Net-(FB_USB1-Pad1): length 2.1
  Top w1: FB_USB1.1 11.04,35.94 F_USB1.2
Net-(J_LEDE1-Pad2): length 2.9
  Top w1: R_LEDE1.2 27.03,60.81 J_LEDE1.2
Net-(J_LEDP1-Pad2): length 2.9
  Top w1: J_LEDP1.2 22.71,60.8 R_LEDP1.2
Net-(J_POW1-Pad1): length 30.2
  Top w0.5: v1(9.65,46.44) 8.49,46.44
  Top w1: 14.98,28.19 16.76,28.19 17.65,27.31 R_POW2.2 R_POW5.2 ; 12.85,27.62 14.41,27.62 v1(14.99,28.19)
  Bottom w0.5: v1(14.99,28.19) 14.8,28.19 11.94,31.06 11.94,44.15 v1(9.65,46.44)
Net-(J_USB1-PadA5): length 13.7
  Top w0.3: R_USB1.2 5.98,29.58 4.7,30.86 4.7,38.23 5.82,39.35 J_USB1.A5
Net-(J_USB1-PadB5): length 8
  Top w0.3: 6.91,31.44 6.03,31.44 5.46,32 5.46,35.69 6.12,36.35 J_USB1.B5
Net-(JP_SER1-Pad1): length 17.9
  Top w0.3: U_SER1.4 27.5,37.15 27.18,37.47 27.18,44.34 arc(27.27,44.55) 27.48,44.64 28.18,44.64 arc(28.36,44.74) 28.43,44.94 arc(28.34,45.15) 28.13,45.24 27.18,45.24 arc(27.01,45.31) 26.93,45.49 26.93,45.59 arc(27.01,45.76) 27.18,45.84 28.13,45.84 arc(28.32,45.9) 28.43,46.08 28.43,46.13 28.43,46.14 28.43,47.74 v1(28.45,47.75)
  Bottom w0.5: JP_SER1.1 27.94,48.26 v1(28.45,47.75)
Net-(JP_SER3-Pad1): length 17.5
  Top w0.3: U_SER1.20 24.83,35.24 26.42,36.83 v1(26.42,47.75)
  Bottom w0.5: JP_SER3.1 25.4,48.77 v1(26.42,47.75)
